# KiCad board rabbit_mask_capacitors_right.kicad_pcb (continued)
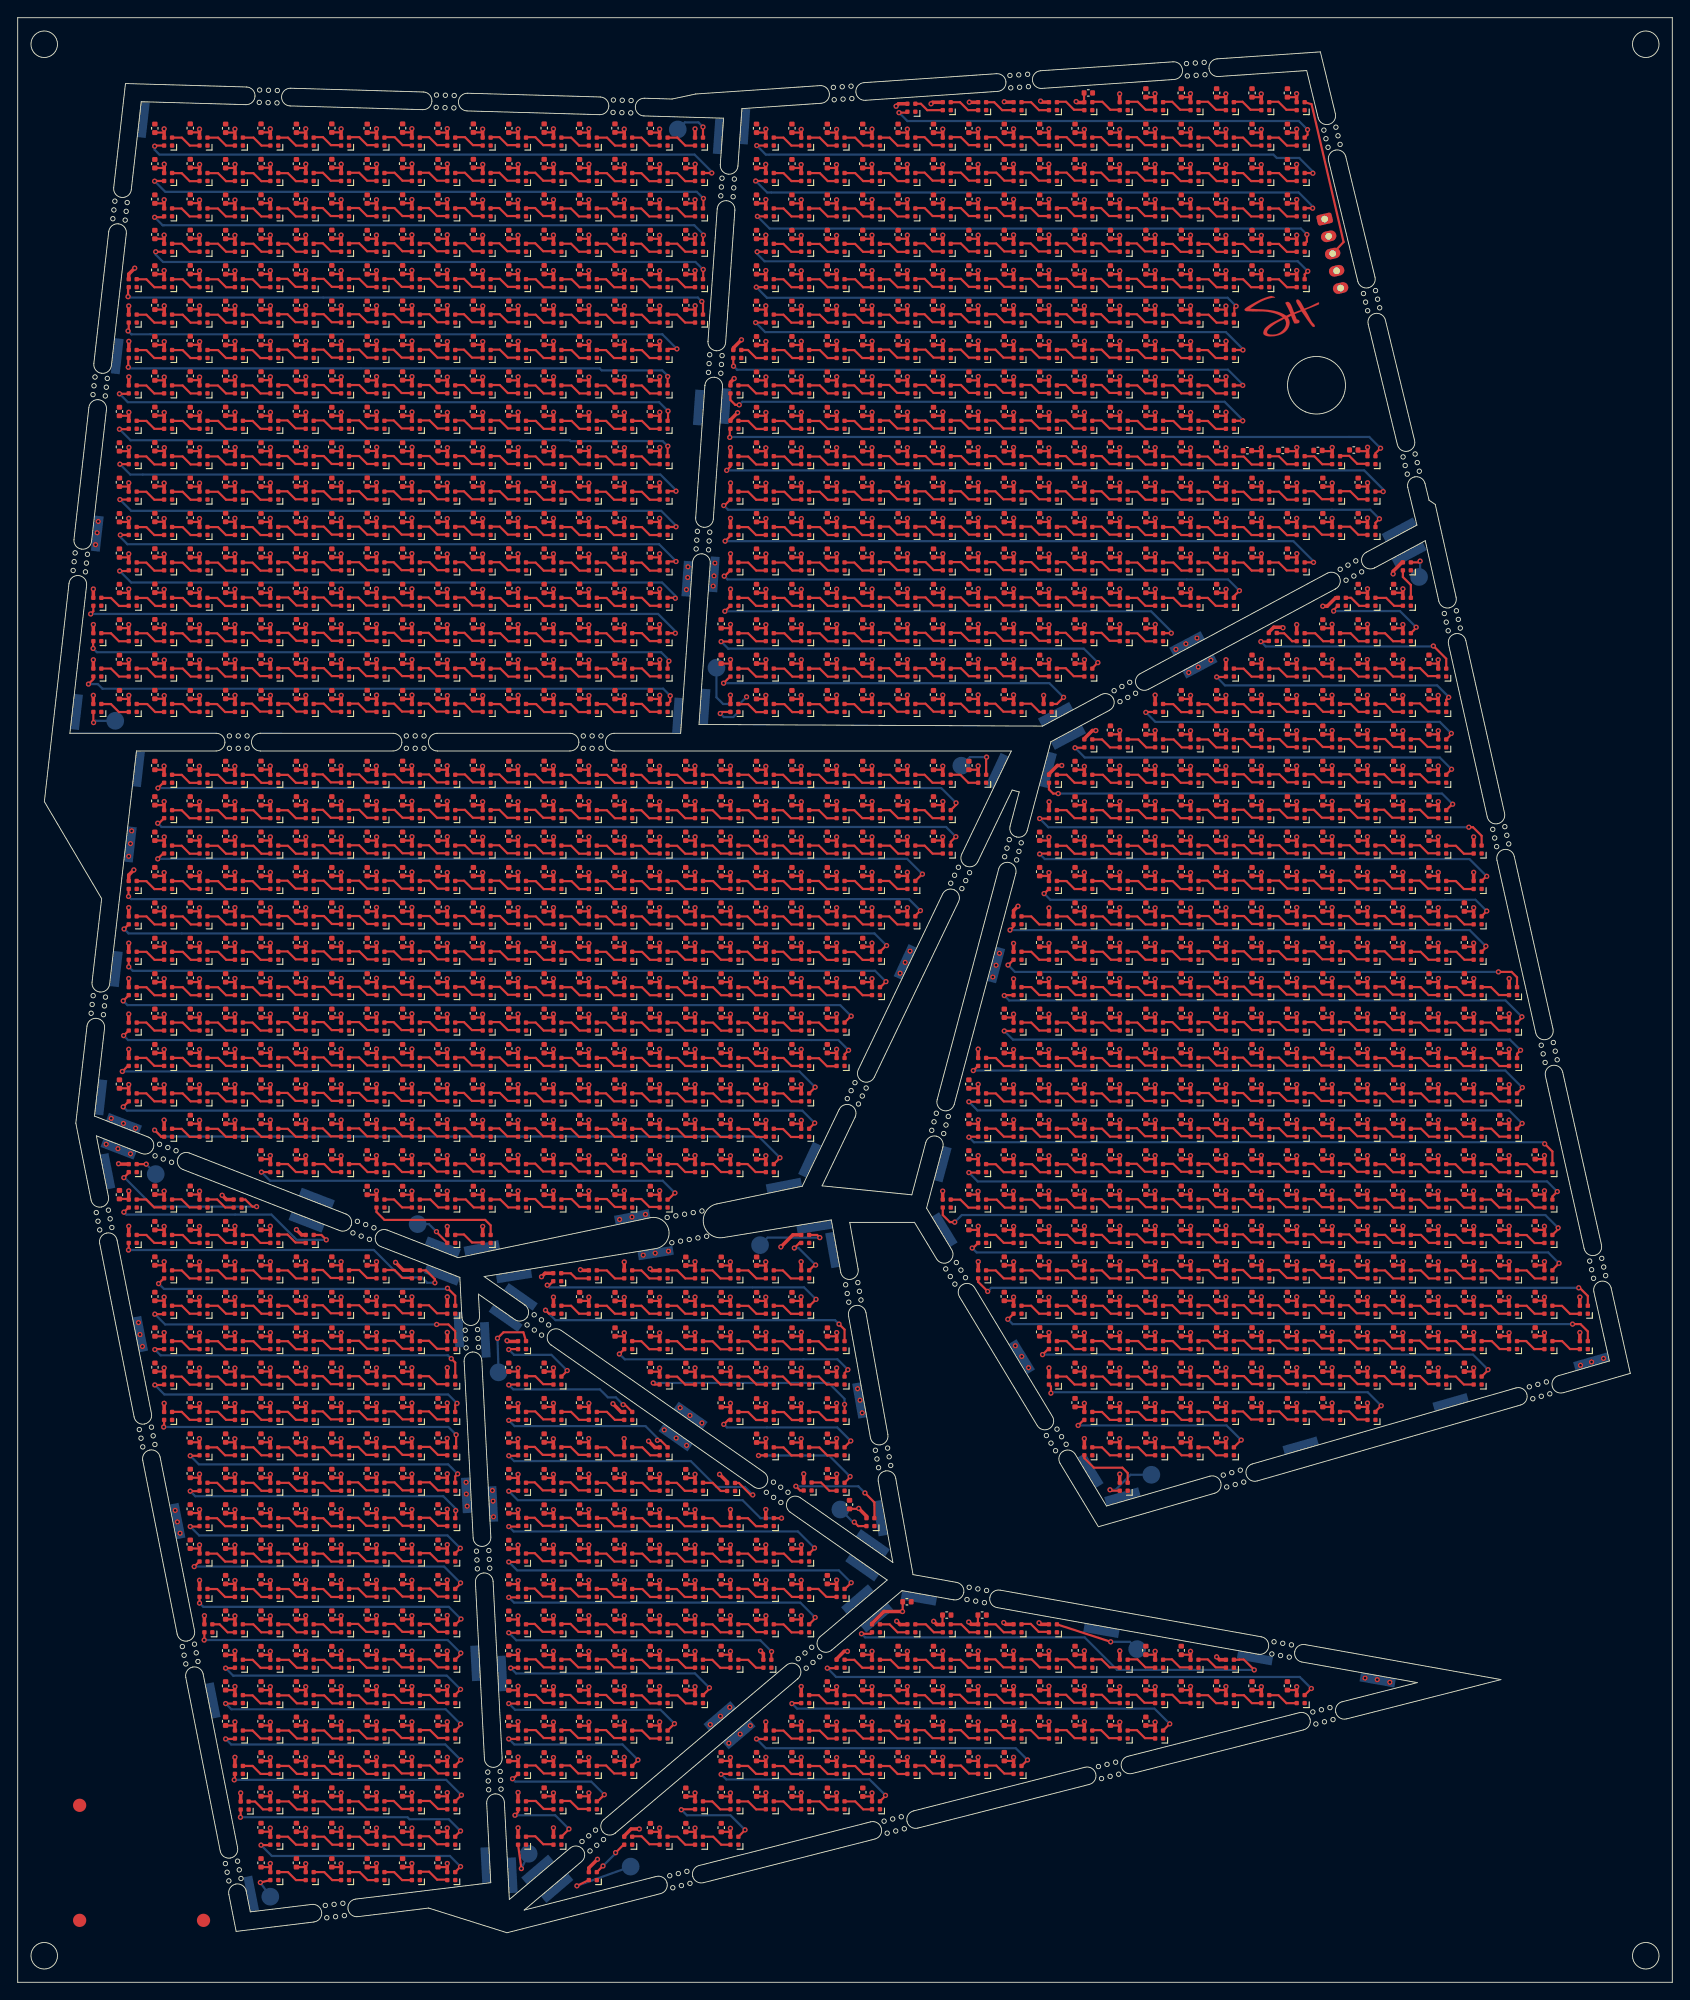
[diagram p0: board, top side]
## Placement (name value [footprint] x y rotation side) (continued)
D2189  SK6812-1515  [LED_SK6812_EC15_1.5x1.5mm]  29 124 180 top
D2190  SK6812-1515  [LED_SK6812_EC15_1.5x1.5mm]  33 124 180 top
D2191  SK6812-1515  [LED_SK6812_EC15_1.5x1.5mm]  37 124 180 top
D2192  SK6812-1515  [LED_SK6812_EC15_1.5x1.5mm]  41 124 180 top
D2193  SK6812-1515  [LED_SK6812_EC15_1.5x1.5mm]  45 124 180 top
D2194  SK6812-1515  [LED_SK6812_EC15_1.5x1.5mm]  49 124 180 top
D2195  SK6812-1515  [LED_SK6812_EC15_1.5x1.5mm]  53 124 180 top
D2196  SK6812-1515  [LED_SK6812_EC15_1.5x1.5mm]  57 124 180 top
D2197  SK6812-1515  [LED_SK6812_EC15_1.5x1.5mm]  61 124 180 top
D2198  SK6812-1515  [LED_SK6812_EC15_1.5x1.5mm]  65 124 180 top
D2199  SK6812-1515  [LED_SK6812_EC15_1.5x1.5mm]  69 124 180 top
D2200  SK6812-1515  [LED_SK6812_EC15_1.5x1.5mm]  73 124 180 top
D2201  SK6812-1515  [LED_SK6812_EC15_1.5x1.5mm]  77 124 180 top
D2202  SK6812-1515  [LED_SK6812_EC15_1.5x1.5mm]  81 124 180 top
D2203  SK6812-1515  [LED_SK6812_EC15_1.5x1.5mm]  85 124 180 top
D2204  SK6812-1515  [LED_SK6812_EC15_1.5x1.5mm]  89 124 180 top
D2205  SK6812-1515  [LED_SK6812_EC15_1.5x1.5mm]  93 124 180 top
D2206  SK6812-1515  [LED_SK6812_EC15_1.5x1.5mm]  97 124 180 top
D2207  SK6812-1515  [LED_SK6812_EC15_1.5x1.5mm]  101 124 180 top
D2208  SK6812-1515  [LED_SK6812_EC15_1.5x1.5mm]  117 124 180 top
D2209  SK6812-1515  [LED_SK6812_EC15_1.5x1.5mm]  121 124 180 top
D2210  SK6812-1515  [LED_SK6812_EC15_1.5x1.5mm]  125 124 180 top
D2211  SK6812-1515  [LED_SK6812_EC15_1.5x1.5mm]  129 124 180 top
D2212  SK6812-1515  [LED_SK6812_EC15_1.5x1.5mm]  133 124 180 top
D2213  SK6812-1515  [LED_SK6812_EC15_1.5x1.5mm]  137 124 180 top
D2214  SK6812-1515  [LED_SK6812_EC15_1.5x1.5mm]  141 124 180 top
D2215  SK6812-1515  [LED_SK6812_EC15_1.5x1.5mm]  145 124 180 top
D2216  SK6812-1515  [LED_SK6812_EC15_1.5x1.5mm]  149 124 180 top
D2217  SK6812-1515  [LED_SK6812_EC15_1.5x1.5mm]  153 124 180 top
D2218  SK6812-1515  [LED_SK6812_EC15_1.5x1.5mm]  157 124 180 top
D2219  SK6812-1515  [LED_SK6812_EC15_1.5x1.5mm]  161 124 180 top
D2220  SK6812-1515  [LED_SK6812_EC15_1.5x1.5mm]  165 124 180 top
D2221  SK6812-1515  [LED_SK6812_EC15_1.5x1.5mm]  13 120 180 top
D2222  SK6812-1515  [LED_SK6812_EC15_1.5x1.5mm]  17 120 180 top
D2223  SK6812-1515  [LED_SK6812_EC15_1.5x1.5mm]  21 120 180 top
D2224  SK6812-1515  [LED_SK6812_EC15_1.5x1.5mm]  25 120 180 top
D2225  SK6812-1515  [LED_SK6812_EC15_1.5x1.5mm]  29 120 180 top
D2226  SK6812-1515  [LED_SK6812_EC15_1.5x1.5mm]  33 120 180 top
D2227  SK6812-1515  [LED_SK6812_EC15_1.5x1.5mm]  37 120 180 top
D2228  SK6812-1515  [LED_SK6812_EC15_1.5x1.5mm]  41 120 180 top
D2229  SK6812-1515  [LED_SK6812_EC15_1.5x1.5mm]  45 120 180 top
D2230  SK6812-1515  [LED_SK6812_EC15_1.5x1.5mm]  49 120 180 top
D2231  SK6812-1515  [LED_SK6812_EC15_1.5x1.5mm]  53 120 180 top
D2232  SK6812-1515  [LED_SK6812_EC15_1.5x1.5mm]  57 120 180 top
D2233  SK6812-1515  [LED_SK6812_EC15_1.5x1.5mm]  61 120 180 top
D2234  SK6812-1515  [LED_SK6812_EC15_1.5x1.5mm]  65 120 180 top
D2235  SK6812-1515  [LED_SK6812_EC15_1.5x1.5mm]  69 120 180 top
D2236  SK6812-1515  [LED_SK6812_EC15_1.5x1.5mm]  73 120 180 top
D2237  SK6812-1515  [LED_SK6812_EC15_1.5x1.5mm]  77 120 180 top
D2238  SK6812-1515  [LED_SK6812_EC15_1.5x1.5mm]  81 120 180 top
D2239  SK6812-1515  [LED_SK6812_EC15_1.5x1.5mm]  85 120 180 top
D2240  SK6812-1515  [LED_SK6812_EC15_1.5x1.5mm]  89 120 180 top
D2241  SK6812-1515  [LED_SK6812_EC15_1.5x1.5mm]  93 120 180 top
D2242  SK6812-1515  [LED_SK6812_EC15_1.5x1.5mm]  97 120 180 top
D2243  SK6812-1515  [LED_SK6812_EC15_1.5x1.5mm]  101 120 180 top
D2244  SK6812-1515  [LED_SK6812_EC15_1.5x1.5mm]  113 120 180 top
D2245  SK6812-1515  [LED_SK6812_EC15_1.5x1.5mm]  117 120 180 top
D2246  SK6812-1515  [LED_SK6812_EC15_1.5x1.5mm]  121 120 180 top
D2247  SK6812-1515  [LED_SK6812_EC15_1.5x1.5mm]  125 120 180 top
D2248  SK6812-1515  [LED_SK6812_EC15_1.5x1.5mm]  129 120 180 top
D2249  SK6812-1515  [LED_SK6812_EC15_1.5x1.5mm]  133 120 180 top
D2250  SK6812-1515  [LED_SK6812_EC15_1.5x1.5mm]  137 120 180 top
D2251  SK6812-1515  [LED_SK6812_EC15_1.5x1.5mm]  141 120 180 top
D2252  SK6812-1515  [LED_SK6812_EC15_1.5x1.5mm]  145 120 180 top
D2253  SK6812-1515  [LED_SK6812_EC15_1.5x1.5mm]  149 120 180 top
D2254  SK6812-1515  [LED_SK6812_EC15_1.5x1.5mm]  153 120 180 top
D2255  SK6812-1515  [LED_SK6812_EC15_1.5x1.5mm]  157 120 180 top
D2256  SK6812-1515  [LED_SK6812_EC15_1.5x1.5mm]  161 120 180 top
D2257  SK6812-1515  [LED_SK6812_EC15_1.5x1.5mm]  165 120 180 top
D2258  SK6812-1515  [LED_SK6812_EC15_1.5x1.5mm]  13 116 180 top
D2259  SK6812-1515  [LED_SK6812_EC15_1.5x1.5mm]  17 116 180 top
D2260  SK6812-1515  [LED_SK6812_EC15_1.5x1.5mm]  21 116 180 top
D2261  SK6812-1515  [LED_SK6812_EC15_1.5x1.5mm]  25 116 180 top
D2262  SK6812-1515  [LED_SK6812_EC15_1.5x1.5mm]  29 116 180 top
D2263  SK6812-1515  [LED_SK6812_EC15_1.5x1.5mm]  33 116 180 top
D2264  SK6812-1515  [LED_SK6812_EC15_1.5x1.5mm]  37 116 180 top
D2265  SK6812-1515  [LED_SK6812_EC15_1.5x1.5mm]  41 116 180 top
D2266  SK6812-1515  [LED_SK6812_EC15_1.5x1.5mm]  45 116 180 top
D2267  SK6812-1515  [LED_SK6812_EC15_1.5x1.5mm]  49 116 180 top
D2268  SK6812-1515  [LED_SK6812_EC15_1.5x1.5mm]  53 116 180 top
D2269  SK6812-1515  [LED_SK6812_EC15_1.5x1.5mm]  57 116 180 top
D2270  SK6812-1515  [LED_SK6812_EC15_1.5x1.5mm]  61 116 180 top
D2271  SK6812-1515  [LED_SK6812_EC15_1.5x1.5mm]  65 116 180 top
D2272  SK6812-1515  [LED_SK6812_EC15_1.5x1.5mm]  69 116 180 top
D2273  SK6812-1515  [LED_SK6812_EC15_1.5x1.5mm]  73 116 180 top
D2274  SK6812-1515  [LED_SK6812_EC15_1.5x1.5mm]  77 116 180 top
D2275  SK6812-1515  [LED_SK6812_EC15_1.5x1.5mm]  81 116 180 top
D2276  SK6812-1515  [LED_SK6812_EC15_1.5x1.5mm]  85 116 180 top
D2277  SK6812-1515  [LED_SK6812_EC15_1.5x1.5mm]  89 116 180 top
D2278  SK6812-1515  [LED_SK6812_EC15_1.5x1.5mm]  93 116 180 top
D2279  SK6812-1515  [LED_SK6812_EC15_1.5x1.5mm]  97 116 180 top
D2280  SK6812-1515  [LED_SK6812_EC15_1.5x1.5mm]  113 116 180 top
D2281  SK6812-1515  [LED_SK6812_EC15_1.5x1.5mm]  117 116 180 top
D2282  SK6812-1515  [LED_SK6812_EC15_1.5x1.5mm]  121 116 180 top
D2283  SK6812-1515  [LED_SK6812_EC15_1.5x1.5mm]  125 116 180 top
D2284  SK6812-1515  [LED_SK6812_EC15_1.5x1.5mm]  129 116 180 top
D2285  SK6812-1515  [LED_SK6812_EC15_1.5x1.5mm]  133 116 180 top
D2286  SK6812-1515  [LED_SK6812_EC15_1.5x1.5mm]  137 116 180 top
D2287  SK6812-1515  [LED_SK6812_EC15_1.5x1.5mm]  141 116 180 top
D2288  SK6812-1515  [LED_SK6812_EC15_1.5x1.5mm]  145 116 180 top
D2289  SK6812-1515  [LED_SK6812_EC15_1.5x1.5mm]  149 116 180 top
D2290  SK6812-1515  [LED_SK6812_EC15_1.5x1.5mm]  153 116 180 top
D2291  SK6812-1515  [LED_SK6812_EC15_1.5x1.5mm]  157 116 180 top
D2292  SK6812-1515  [LED_SK6812_EC15_1.5x1.5mm]  161 116 180 top
D2293  SK6812-1515  [LED_SK6812_EC15_1.5x1.5mm]  165 116 180 top
D2294  SK6812-1515  [LED_SK6812_EC15_1.5x1.5mm]  13 112 180 top
D2295  SK6812-1515  [LED_SK6812_EC15_1.5x1.5mm]  17 112 180 top
D2296  SK6812-1515  [LED_SK6812_EC15_1.5x1.5mm]  21 112 180 top
D2297  SK6812-1515  [LED_SK6812_EC15_1.5x1.5mm]  25 112 180 top
D2298  SK6812-1515  [LED_SK6812_EC15_1.5x1.5mm]  29 112 180 top
D2299  SK6812-1515  [LED_SK6812_EC15_1.5x1.5mm]  33 112 180 top
D2300  SK6812-1515  [LED_SK6812_EC15_1.5x1.5mm]  37 112 180 top
D2301  SK6812-1515  [LED_SK6812_EC15_1.5x1.5mm]  41 112 180 top
D2302  SK6812-1515  [LED_SK6812_EC15_1.5x1.5mm]  45 112 180 top
D2303  SK6812-1515  [LED_SK6812_EC15_1.5x1.5mm]  49 112 180 top
D2304  SK6812-1515  [LED_SK6812_EC15_1.5x1.5mm]  53 112 180 top
D2305  SK6812-1515  [LED_SK6812_EC15_1.5x1.5mm]  57 112 180 top
D2306  SK6812-1515  [LED_SK6812_EC15_1.5x1.5mm]  61 112 180 top
D2307  SK6812-1515  [LED_SK6812_EC15_1.5x1.5mm]  65 112 180 top
D2308  SK6812-1515  [LED_SK6812_EC15_1.5x1.5mm]  69 112 180 top
D2309  SK6812-1515  [LED_SK6812_EC15_1.5x1.5mm]  73 112 180 top
D2310  SK6812-1515  [LED_SK6812_EC15_1.5x1.5mm]  77 112 180 top
D2311  SK6812-1515  [LED_SK6812_EC15_1.5x1.5mm]  81 112 180 top
D2312  SK6812-1515  [LED_SK6812_EC15_1.5x1.5mm]  85 112 180 top
D2313  SK6812-1515  [LED_SK6812_EC15_1.5x1.5mm]  89 112 180 top
D2314  SK6812-1515  [LED_SK6812_EC15_1.5x1.5mm]  93 112 180 top
D2315  SK6812-1515  [LED_SK6812_EC15_1.5x1.5mm]  97 112 180 top
D2316  SK6812-1515  [LED_SK6812_EC15_1.5x1.5mm]  113 112 180 top
D2317  SK6812-1515  [LED_SK6812_EC15_1.5x1.5mm]  117 112 180 top
D2318  SK6812-1515  [LED_SK6812_EC15_1.5x1.5mm]  121 112 180 top
D2319  SK6812-1515  [LED_SK6812_EC15_1.5x1.5mm]  125 112 180 top
D2320  SK6812-1515  [LED_SK6812_EC15_1.5x1.5mm]  129 112 180 top
D2321  SK6812-1515  [LED_SK6812_EC15_1.5x1.5mm]  133 112 180 top
D2322  SK6812-1515  [LED_SK6812_EC15_1.5x1.5mm]  137 112 180 top
D2323  SK6812-1515  [LED_SK6812_EC15_1.5x1.5mm]  141 112 180 top
D2324  SK6812-1515  [LED_SK6812_EC15_1.5x1.5mm]  145 112 180 top
D2325  SK6812-1515  [LED_SK6812_EC15_1.5x1.5mm]  149 112 180 top
D2326  SK6812-1515  [LED_SK6812_EC15_1.5x1.5mm]  153 112 180 top
D2327  SK6812-1515  [LED_SK6812_EC15_1.5x1.5mm]  157 112 180 top
D2328  SK6812-1515  [LED_SK6812_EC15_1.5x1.5mm]  161 112 180 top
D2329  SK6812-1515  [LED_SK6812_EC15_1.5x1.5mm]  165 112 180 top
D2330  SK6812-1515  [LED_SK6812_EC15_1.5x1.5mm]  169 112 180 top
D2331  SK6812-1515  [LED_SK6812_EC15_1.5x1.5mm]  13 108 180 top
D2332  SK6812-1515  [LED_SK6812_EC15_1.5x1.5mm]  17 108 180 top
D2333  SK6812-1515  [LED_SK6812_EC15_1.5x1.5mm]  21 108 180 top
D2334  SK6812-1515  [LED_SK6812_EC15_1.5x1.5mm]  25 108 180 top
D2335  SK6812-1515  [LED_SK6812_EC15_1.5x1.5mm]  29 108 180 top
D2336  SK6812-1515  [LED_SK6812_EC15_1.5x1.5mm]  33 108 180 top
D2337  SK6812-1515  [LED_SK6812_EC15_1.5x1.5mm]  37 108 180 top
D2338  SK6812-1515  [LED_SK6812_EC15_1.5x1.5mm]  41 108 180 top
D2339  SK6812-1515  [LED_SK6812_EC15_1.5x1.5mm]  45 108 180 top
D2340  SK6812-1515  [LED_SK6812_EC15_1.5x1.5mm]  49 108 180 top
D2341  SK6812-1515  [LED_SK6812_EC15_1.5x1.5mm]  53 108 180 top
D2342  SK6812-1515  [LED_SK6812_EC15_1.5x1.5mm]  57 108 180 top
D2343  SK6812-1515  [LED_SK6812_EC15_1.5x1.5mm]  61 108 180 top
D2344  SK6812-1515  [LED_SK6812_EC15_1.5x1.5mm]  65 108 180 top
D2345  SK6812-1515  [LED_SK6812_EC15_1.5x1.5mm]  69 108 180 top
D2346  SK6812-1515  [LED_SK6812_EC15_1.5x1.5mm]  73 108 180 top
D2347  SK6812-1515  [LED_SK6812_EC15_1.5x1.5mm]  77 108 180 top
D2348  SK6812-1515  [LED_SK6812_EC15_1.5x1.5mm]  81 108 180 top
D2349  SK6812-1515  [LED_SK6812_EC15_1.5x1.5mm]  85 108 180 top
D2350  SK6812-1515  [LED_SK6812_EC15_1.5x1.5mm]  89 108 180 top
D2351  SK6812-1515  [LED_SK6812_EC15_1.5x1.5mm]  93 108 180 top
D2352  SK6812-1515  [LED_SK6812_EC15_1.5x1.5mm]  113 108 180 top
D2353  SK6812-1515  [LED_SK6812_EC15_1.5x1.5mm]  117 108 180 top
D2354  SK6812-1515  [LED_SK6812_EC15_1.5x1.5mm]  121 108 180 top
D2355  SK6812-1515  [LED_SK6812_EC15_1.5x1.5mm]  125 108 180 top
D2356  SK6812-1515  [LED_SK6812_EC15_1.5x1.5mm]  129 108 180 top
D2357  SK6812-1515  [LED_SK6812_EC15_1.5x1.5mm]  133 108 180 top
D2358  SK6812-1515  [LED_SK6812_EC15_1.5x1.5mm]  137 108 180 top
D2359  SK6812-1515  [LED_SK6812_EC15_1.5x1.5mm]  141 108 180 top
D2360  SK6812-1515  [LED_SK6812_EC15_1.5x1.5mm]  145 108 180 top
D2361  SK6812-1515  [LED_SK6812_EC15_1.5x1.5mm]  149 108 180 top
D2362  SK6812-1515  [LED_SK6812_EC15_1.5x1.5mm]  153 108 180 top
D2363  SK6812-1515  [LED_SK6812_EC15_1.5x1.5mm]  157 108 180 top
D2364  SK6812-1515  [LED_SK6812_EC15_1.5x1.5mm]  161 108 180 top
D2365  SK6812-1515  [LED_SK6812_EC15_1.5x1.5mm]  165 108 180 top
D2366  SK6812-1515  [LED_SK6812_EC15_1.5x1.5mm]  169 108 180 top
D2367  SK6812-1515  [LED_SK6812_EC15_1.5x1.5mm]  13 104 180 top
D2368  SK6812-1515  [LED_SK6812_EC15_1.5x1.5mm]  17 104 180 top
D2369  SK6812-1515  [LED_SK6812_EC15_1.5x1.5mm]  21 104 180 top
D2370  SK6812-1515  [LED_SK6812_EC15_1.5x1.5mm]  25 104 180 top
D2371  SK6812-1515  [LED_SK6812_EC15_1.5x1.5mm]  29 104 180 top
D2372  SK6812-1515  [LED_SK6812_EC15_1.5x1.5mm]  33 104 180 top
D2373  SK6812-1515  [LED_SK6812_EC15_1.5x1.5mm]  37 104 180 top
D2374  SK6812-1515  [LED_SK6812_EC15_1.5x1.5mm]  41 104 180 top
D2375  SK6812-1515  [LED_SK6812_EC15_1.5x1.5mm]  45 104 180 top
D2376  SK6812-1515  [LED_SK6812_EC15_1.5x1.5mm]  49 104 180 top
D2377  SK6812-1515  [LED_SK6812_EC15_1.5x1.5mm]  53 104 180 top
D2378  SK6812-1515  [LED_SK6812_EC15_1.5x1.5mm]  57 104 180 top
D2379  SK6812-1515  [LED_SK6812_EC15_1.5x1.5mm]  61 104 180 top
D2380  SK6812-1515  [LED_SK6812_EC15_1.5x1.5mm]  65 104 180 top
D2381  SK6812-1515  [LED_SK6812_EC15_1.5x1.5mm]  69 104 180 top
D2382  SK6812-1515  [LED_SK6812_EC15_1.5x1.5mm]  73 104 180 top
D2383  SK6812-1515  [LED_SK6812_EC15_1.5x1.5mm]  77 104 180 top
D2384  SK6812-1515  [LED_SK6812_EC15_1.5x1.5mm]  81 104 180 top
D2385  SK6812-1515  [LED_SK6812_EC15_1.5x1.5mm]  85 104 180 top
D2386  SK6812-1515  [LED_SK6812_EC15_1.5x1.5mm]  89 104 180 top
D2387  SK6812-1515  [LED_SK6812_EC15_1.5x1.5mm]  93 104 180 top
D2388  SK6812-1515  [LED_SK6812_EC15_1.5x1.5mm]  109 104 180 top
D2389  SK6812-1515  [LED_SK6812_EC15_1.5x1.5mm]  113 104 180 top
D2390  SK6812-1515  [LED_SK6812_EC15_1.5x1.5mm]  117 104 180 top
D2391  SK6812-1515  [LED_SK6812_EC15_1.5x1.5mm]  121 104 180 top
D2392  SK6812-1515  [LED_SK6812_EC15_1.5x1.5mm]  125 104 180 top
D2393  SK6812-1515  [LED_SK6812_EC15_1.5x1.5mm]  129 104 180 top
D2394  SK6812-1515  [LED_SK6812_EC15_1.5x1.5mm]  133 104 180 top
D2395  SK6812-1515  [LED_SK6812_EC15_1.5x1.5mm]  137 104 180 top
D2396  SK6812-1515  [LED_SK6812_EC15_1.5x1.5mm]  141 104 180 top
D2397  SK6812-1515  [LED_SK6812_EC15_1.5x1.5mm]  145 104 180 top
D2398  SK6812-1515  [LED_SK6812_EC15_1.5x1.5mm]  149 104 180 top
D2399  SK6812-1515  [LED_SK6812_EC15_1.5x1.5mm]  153 104 180 top
D2400  SK6812-1515  [LED_SK6812_EC15_1.5x1.5mm]  157 104 180 top
D2401  SK6812-1515  [LED_SK6812_EC15_1.5x1.5mm]  161 104 180 top
D2402  SK6812-1515  [LED_SK6812_EC15_1.5x1.5mm]  165 104 180 top
D2403  SK6812-1515  [LED_SK6812_EC15_1.5x1.5mm]  169 104 180 top
D2404  SK6812-1515  [LED_SK6812_EC15_1.5x1.5mm]  13 100 180 top
D2405  SK6812-1515  [LED_SK6812_EC15_1.5x1.5mm]  17 100 180 top
D2406  SK6812-1515  [LED_SK6812_EC15_1.5x1.5mm]  21 100 180 top
D2407  SK6812-1515  [LED_SK6812_EC15_1.5x1.5mm]  25 100 180 top
D2408  SK6812-1515  [LED_SK6812_EC15_1.5x1.5mm]  29 100 180 top
D2409  SK6812-1515  [LED_SK6812_EC15_1.5x1.5mm]  33 100 180 top
D2410  SK6812-1515  [LED_SK6812_EC15_1.5x1.5mm]  37 100 180 top
D2411  SK6812-1515  [LED_SK6812_EC15_1.5x1.5mm]  41 100 180 top
D2412  SK6812-1515  [LED_SK6812_EC15_1.5x1.5mm]  45 100 180 top
D2413  SK6812-1515  [LED_SK6812_EC15_1.5x1.5mm]  49 100 180 top
D2414  SK6812-1515  [LED_SK6812_EC15_1.5x1.5mm]  53 100 180 top
D2415  SK6812-1515  [LED_SK6812_EC15_1.5x1.5mm]  57 100 180 top
D2416  SK6812-1515  [LED_SK6812_EC15_1.5x1.5mm]  61 100 180 top
D2417  SK6812-1515  [LED_SK6812_EC15_1.5x1.5mm]  65 100 180 top
D2418  SK6812-1515  [LED_SK6812_EC15_1.5x1.5mm]  69 100 180 top
D2419  SK6812-1515  [LED_SK6812_EC15_1.5x1.5mm]  73 100 180 top
D2420  SK6812-1515  [LED_SK6812_EC15_1.5x1.5mm]  77 100 180 top
D2421  SK6812-1515  [LED_SK6812_EC15_1.5x1.5mm]  81 100 180 top
D2422  SK6812-1515  [LED_SK6812_EC15_1.5x1.5mm]  85 100 180 top
D2423  SK6812-1515  [LED_SK6812_EC15_1.5x1.5mm]  89 100 180 top
D2424  SK6812-1515  [LED_SK6812_EC15_1.5x1.5mm]  109 100 180 top
D2425  SK6812-1515  [LED_SK6812_EC15_1.5x1.5mm]  113 100 180 top
D2426  SK6812-1515  [LED_SK6812_EC15_1.5x1.5mm]  117 100 180 top
D2427  SK6812-1515  [LED_SK6812_EC15_1.5x1.5mm]  121 100 180 top
D2428  SK6812-1515  [LED_SK6812_EC15_1.5x1.5mm]  125 100 180 top
D2429  SK6812-1515  [LED_SK6812_EC15_1.5x1.5mm]  129 100 180 top
D2430  SK6812-1515  [LED_SK6812_EC15_1.5x1.5mm]  133 100 180 top
D2431  SK6812-1515  [LED_SK6812_EC15_1.5x1.5mm]  137 100 180 top
D2432  SK6812-1515  [LED_SK6812_EC15_1.5x1.5mm]  141 100 180 top
D2433  SK6812-1515  [LED_SK6812_EC15_1.5x1.5mm]  145 100 180 top
D2434  SK6812-1515  [LED_SK6812_EC15_1.5x1.5mm]  149 100 180 top
D2435  SK6812-1515  [LED_SK6812_EC15_1.5x1.5mm]  153 100 180 top
D2436  SK6812-1515  [LED_SK6812_EC15_1.5x1.5mm]  157 100 180 top
D2437  SK6812-1515  [LED_SK6812_EC15_1.5x1.5mm]  161 100 180 top
D2438  SK6812-1515  [LED_SK6812_EC15_1.5x1.5mm]  165 100 180 top
D2439  SK6812-1515  [LED_SK6812_EC15_1.5x1.5mm]  169 100 180 top
D2440  SK6812-1515  [LED_SK6812_EC15_1.5x1.5mm]  17 96 180 top
D2441  SK6812-1515  [LED_SK6812_EC15_1.5x1.5mm]  21 96 180 top
D2442  SK6812-1515  [LED_SK6812_EC15_1.5x1.5mm]  25 96 180 top
D2443  SK6812-1515  [LED_SK6812_EC15_1.5x1.5mm]  29 96 180 top
D2444  SK6812-1515  [LED_SK6812_EC15_1.5x1.5mm]  33 96 180 top
D2445  SK6812-1515  [LED_SK6812_EC15_1.5x1.5mm]  37 96 180 top
D2446  SK6812-1515  [LED_SK6812_EC15_1.5x1.5mm]  41 96 180 top
D2447  SK6812-1515  [LED_SK6812_EC15_1.5x1.5mm]  45 96 180 top
D2448  SK6812-1515  [LED_SK6812_EC15_1.5x1.5mm]  49 96 180 top
D2449  SK6812-1515  [LED_SK6812_EC15_1.5x1.5mm]  53 96 180 top
D2450  SK6812-1515  [LED_SK6812_EC15_1.5x1.5mm]  57 96 180 top
D2451  SK6812-1515  [LED_SK6812_EC15_1.5x1.5mm]  61 96 180 top
D2452  SK6812-1515  [LED_SK6812_EC15_1.5x1.5mm]  65 96 180 top
D2453  SK6812-1515  [LED_SK6812_EC15_1.5x1.5mm]  69 96 180 top
D2454  SK6812-1515  [LED_SK6812_EC15_1.5x1.5mm]  73 96 180 top
D2455  SK6812-1515  [LED_SK6812_EC15_1.5x1.5mm]  77 96 180 top
D2456  SK6812-1515  [LED_SK6812_EC15_1.5x1.5mm]  81 96 180 top
D2457  SK6812-1515  [LED_SK6812_EC15_1.5x1.5mm]  85 96 180 top
D2458  SK6812-1515  [LED_SK6812_EC15_1.5x1.5mm]  89 96 180 top
D2459  SK6812-1515  [LED_SK6812_EC15_1.5x1.5mm]  109 96 180 top
D2460  SK6812-1515  [LED_SK6812_EC15_1.5x1.5mm]  113 96 180 top
D2461  SK6812-1515  [LED_SK6812_EC15_1.5x1.5mm]  117 96 180 top
D2462  SK6812-1515  [LED_SK6812_EC15_1.5x1.5mm]  121 96 180 top
D2463  SK6812-1515  [LED_SK6812_EC15_1.5x1.5mm]  125 96 180 top
D2464  SK6812-1515  [LED_SK6812_EC15_1.5x1.5mm]  129 96 180 top
D2465  SK6812-1515  [LED_SK6812_EC15_1.5x1.5mm]  133 96 180 top
D2466  SK6812-1515  [LED_SK6812_EC15_1.5x1.5mm]  137 96 180 top
D2467  SK6812-1515  [LED_SK6812_EC15_1.5x1.5mm]  141 96 180 top
D2468  SK6812-1515  [LED_SK6812_EC15_1.5x1.5mm]  145 96 180 top
D2469  SK6812-1515  [LED_SK6812_EC15_1.5x1.5mm]  149 96 180 top
D2470  SK6812-1515  [LED_SK6812_EC15_1.5x1.5mm]  153 96 180 top
D2471  SK6812-1515  [LED_SK6812_EC15_1.5x1.5mm]  157 96 180 top
D2472  SK6812-1515  [LED_SK6812_EC15_1.5x1.5mm]  161 96 180 top
D2473  SK6812-1515  [LED_SK6812_EC15_1.5x1.5mm]  165 96 180 top
D2474  SK6812-1515  [LED_SK6812_EC15_1.5x1.5mm]  169 96 180 top
D2475  SK6812-1515  [LED_SK6812_EC15_1.5x1.5mm]  13 92 180 top
D2476  SK6812-1515  [LED_SK6812_EC15_1.5x1.5mm]  29 92 180 top
D2477  SK6812-1515  [LED_SK6812_EC15_1.5x1.5mm]  33 92 180 top
D2478  SK6812-1515  [LED_SK6812_EC15_1.5x1.5mm]  37 92 180 top
D2479  SK6812-1515  [LED_SK6812_EC15_1.5x1.5mm]  41 92 180 top
D2480  SK6812-1515  [LED_SK6812_EC15_1.5x1.5mm]  45 92 180 top
D2481  SK6812-1515  [LED_SK6812_EC15_1.5x1.5mm]  49 92 180 top
D2482  SK6812-1515  [LED_SK6812_EC15_1.5x1.5mm]  53 92 180 top
D2483  SK6812-1515  [LED_SK6812_EC15_1.5x1.5mm]  57 92 180 top
D2484  SK6812-1515  [LED_SK6812_EC15_1.5x1.5mm]  61 92 180 top
D2485  SK6812-1515  [LED_SK6812_EC15_1.5x1.5mm]  65 92 180 top
D2486  SK6812-1515  [LED_SK6812_EC15_1.5x1.5mm]  69 92 180 top
D2487  SK6812-1515  [LED_SK6812_EC15_1.5x1.5mm]  73 92 180 top
D2488  SK6812-1515  [LED_SK6812_EC15_1.5x1.5mm]  77 92 180 top
D2489  SK6812-1515  [LED_SK6812_EC15_1.5x1.5mm]  81 92 180 top
D2490  SK6812-1515  [LED_SK6812_EC15_1.5x1.5mm]  85 92 180 top
D2491  SK6812-1515  [LED_SK6812_EC15_1.5x1.5mm]  109 92 180 top
D2492  SK6812-1515  [LED_SK6812_EC15_1.5x1.5mm]  113 92 180 top
D2493  SK6812-1515  [LED_SK6812_EC15_1.5x1.5mm]  117 92 180 top
D2494  SK6812-1515  [LED_SK6812_EC15_1.5x1.5mm]  121 92 180 top
D2495  SK6812-1515  [LED_SK6812_EC15_1.5x1.5mm]  125 92 180 top
D2496  SK6812-1515  [LED_SK6812_EC15_1.5x1.5mm]  129 92 180 top
D2497  SK6812-1515  [LED_SK6812_EC15_1.5x1.5mm]  133 92 180 top
D2498  SK6812-1515  [LED_SK6812_EC15_1.5x1.5mm]  137 92 180 top
D2499  SK6812-1515  [LED_SK6812_EC15_1.5x1.5mm]  141 92 180 top
D2500  SK6812-1515  [LED_SK6812_EC15_1.5x1.5mm]  145 92 180 top
D2501  SK6812-1515  [LED_SK6812_EC15_1.5x1.5mm]  149 92 180 top
D2502  SK6812-1515  [LED_SK6812_EC15_1.5x1.5mm]  153 92 180 top
D2503  SK6812-1515  [LED_SK6812_EC15_1.5x1.5mm]  157 92 180 top
D2504  SK6812-1515  [LED_SK6812_EC15_1.5x1.5mm]  161 92 180 top
D2505  SK6812-1515  [LED_SK6812_EC15_1.5x1.5mm]  165 92 180 top
D2506  SK6812-1515  [LED_SK6812_EC15_1.5x1.5mm]  169 92 180 top
D2507  SK6812-1515  [LED_SK6812_EC15_1.5x1.5mm]  173 92 180 top
D2508  SK6812-1515  [LED_SK6812_EC15_1.5x1.5mm]  13 88 180 top
D2509  SK6812-1515  [LED_SK6812_EC15_1.5x1.5mm]  17 88 180 top
D2510  SK6812-1515  [LED_SK6812_EC15_1.5x1.5mm]  21 88 180 top
D2511  SK6812-1515  [LED_SK6812_EC15_1.5x1.5mm]  24.85 88 180 top
D2512  SK6812-1515  [LED_SK6812_EC15_1.5x1.5mm]  41 88 180 top
D2513  SK6812-1515  [LED_SK6812_EC15_1.5x1.5mm]  45 88 180 top
D2514  SK6812-1515  [LED_SK6812_EC15_1.5x1.5mm]  49 88 180 top
D2515  SK6812-1515  [LED_SK6812_EC15_1.5x1.5mm]  53 88 180 top
D2516  SK6812-1515  [LED_SK6812_EC15_1.5x1.5mm]  57 88 180 top
D2517  SK6812-1515  [LED_SK6812_EC15_1.5x1.5mm]  61 88 180 top
D2518  SK6812-1515  [LED_SK6812_EC15_1.5x1.5mm]  65 88 180 top
D2519  SK6812-1515  [LED_SK6812_EC15_1.5x1.5mm]  69 88 180 top
D2520  SK6812-1515  [LED_SK6812_EC15_1.5x1.5mm]  73 88 180 top
D2521  SK6812-1515  [LED_SK6812_EC15_1.5x1.5mm]  105 88 180 top
D2522  SK6812-1515  [LED_SK6812_EC15_1.5x1.5mm]  109 88 180 top
D2523  SK6812-1515  [LED_SK6812_EC15_1.5x1.5mm]  113 88 180 top
D2524  SK6812-1515  [LED_SK6812_EC15_1.5x1.5mm]  117 88 180 top
D2525  SK6812-1515  [LED_SK6812_EC15_1.5x1.5mm]  121 88 180 top
D2526  SK6812-1515  [LED_SK6812_EC15_1.5x1.5mm]  125 88 180 top
D2527  SK6812-1515  [LED_SK6812_EC15_1.5x1.5mm]  129 88 180 top
D2528  SK6812-1515  [LED_SK6812_EC15_1.5x1.5mm]  133 88 180 top
D2529  SK6812-1515  [LED_SK6812_EC15_1.5x1.5mm]  137 88 180 top
D2530  SK6812-1515  [LED_SK6812_EC15_1.5x1.5mm]  141 88 180 top
D2531  SK6812-1515  [LED_SK6812_EC15_1.5x1.5mm]  145 88 180 top
D2532  SK6812-1515  [LED_SK6812_EC15_1.5x1.5mm]  149 88 180 top
D2533  SK6812-1515  [LED_SK6812_EC15_1.5x1.5mm]  153 88 180 top
D2534  SK6812-1515  [LED_SK6812_EC15_1.5x1.5mm]  157 88 180 top
D2535  SK6812-1515  [LED_SK6812_EC15_1.5x1.5mm]  161 88 180 top
D2536  SK6812-1515  [LED_SK6812_EC15_1.5x1.5mm]  165 88 180 top
D2537  SK6812-1515  [LED_SK6812_EC15_1.5x1.5mm]  169 88 180 top
D2538  SK6812-1515  [LED_SK6812_EC15_1.5x1.5mm]  173 88 180 top
D2539  SK6812-1515  [LED_SK6812_EC15_1.5x1.5mm]  13 84 180 top
D2540  SK6812-1515  [LED_SK6812_EC15_1.5x1.5mm]  17 84 180 top
D2541  SK6812-1515  [LED_SK6812_EC15_1.5x1.5mm]  21 84 180 top
D2542  SK6812-1515  [LED_SK6812_EC15_1.5x1.5mm]  25 84 180 top
D2543  SK6812-1515  [LED_SK6812_EC15_1.5x1.5mm]  29 84 180 top
D2544  SK6812-1515  [LED_SK6812_EC15_1.5x1.5mm]  33 84 180 top
D2545  SK6812-1515  [LED_SK6812_EC15_1.5x1.5mm]  49 84 180 top
D2546  SK6812-1515  [LED_SK6812_EC15_1.5x1.5mm]  53 84 180 top
D2547  SK6812-1515  [LED_SK6812_EC15_1.5x1.5mm]  89 84 180 top
D2548  SK6812-1515  [LED_SK6812_EC15_1.5x1.5mm]  109 84 180 top
D2549  SK6812-1515  [LED_SK6812_EC15_1.5x1.5mm]  113 84 180 top
D2550  SK6812-1515  [LED_SK6812_EC15_1.5x1.5mm]  117 84 180 top
D2551  SK6812-1515  [LED_SK6812_EC15_1.5x1.5mm]  121 84 180 top
D2552  SK6812-1515  [LED_SK6812_EC15_1.5x1.5mm]  125 84 180 top
D2553  SK6812-1515  [LED_SK6812_EC15_1.5x1.5mm]  129 84 180 top
D2554  SK6812-1515  [LED_SK6812_EC15_1.5x1.5mm]  133 84 180 top
D2555  SK6812-1515  [LED_SK6812_EC15_1.5x1.5mm]  137 84 180 top
D2556  SK6812-1515  [LED_SK6812_EC15_1.5x1.5mm]  141 84 180 top
D2557  SK6812-1515  [LED_SK6812_EC15_1.5x1.5mm]  145 84 180 top
D2558  SK6812-1515  [LED_SK6812_EC15_1.5x1.5mm]  149 84 180 top
D2559  SK6812-1515  [LED_SK6812_EC15_1.5x1.5mm]  153 84 180 top
D2560  SK6812-1515  [LED_SK6812_EC15_1.5x1.5mm]  157 84 180 top
D2561  SK6812-1515  [LED_SK6812_EC15_1.5x1.5mm]  161 84 180 top
D2562  SK6812-1515  [LED_SK6812_EC15_1.5x1.5mm]  165 84 180 top
D2563  SK6812-1515  [LED_SK6812_EC15_1.5x1.5mm]  169 84 180 top
D2564  SK6812-1515  [LED_SK6812_EC15_1.5x1.5mm]  173 84 180 top
D2565  SK6812-1515  [LED_SK6812_EC15_1.5x1.5mm]  17 80 180 top
D2566  SK6812-1515  [LED_SK6812_EC15_1.5x1.5mm]  21 80 180 top
D2567  SK6812-1515  [LED_SK6812_EC15_1.5x1.5mm]  25 80 180 top
D2568  SK6812-1515  [LED_SK6812_EC15_1.5x1.5mm]  29 80 180 top
D2569  SK6812-1515  [LED_SK6812_EC15_1.5x1.5mm]  33 80 180 top
D2570  SK6812-1515  [LED_SK6812_EC15_1.5x1.5mm]  37 80 180 top
D2571  SK6812-1515  [LED_SK6812_EC15_1.5x1.5mm]  41 80 180 top
D2572  SK6812-1515  [LED_SK6812_EC15_1.5x1.5mm]  45 80 180 top
D2573  SK6812-1515  [LED_SK6812_EC15_1.5x1.5mm]  60.98 79.68 180 top
D2574  SK6812-1515  [LED_SK6812_EC15_1.5x1.5mm]  65 80 180 top
D2575  SK6812-1515  [LED_SK6812_EC15_1.5x1.5mm]  69 80 180 top
D2576  SK6812-1515  [LED_SK6812_EC15_1.5x1.5mm]  73 80 180 top
D2577  SK6812-1515  [LED_SK6812_EC15_1.5x1.5mm]  77 80 180 top
